# Altium PCB final_clock.PcbDoc (part 1 of 2) (continued)
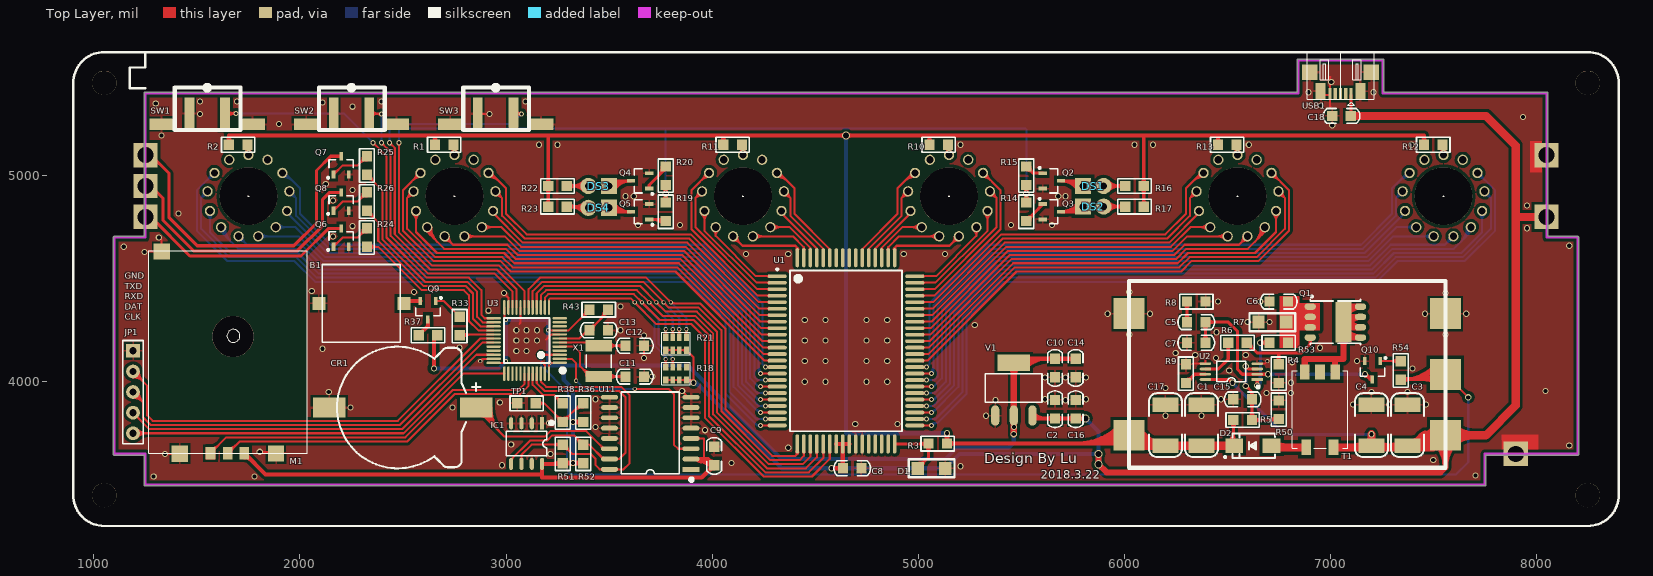
[diagram p0: Top Layer view]
## Nets (pads, with @x,y where several pads share a name; then routed paths per layer and width w, separated by ;. In a path a pad name is that pad's centre, name@x,y a point inside that pad or via, vN(x,y) a via of type N, cw(c..) or ccw(c..) an arc to the next point about the centre after c; other vN are vias at no path point) (continued)
  Bottom Layer w15: v1@6525,3987.5 cw(c6525,3969.39) 6537.8,3982.2 cw(c6550.61,3995) v1@6532.5,3995 ; v1(6525,3995) 6775,3745 v1(7200,3745) ; v1@7194.7,3739.7 ccw(c7181.89,3726.89) 7181.89,3745 ccw(c7181.89,3763.11) v1@7194.7,3750.3
  Bottom Layer w20: v1@3900,3995 3925,3995 4340,3580 v1(4580,3580) 5130,3580 5200,3650 v4(5875,3650) 5875,3758.78 v4(5811.89,3821.89) ; v1@3910,3990 cw(c3910,3941.72) 3944.14,3975.86 ; v4@5811.89,3811.89 cw(c5811.89,3787.75) 5828.96,3804.82 cw(c5846.03,3821.89) v4@5821.89,3821.89 ; v4@5867.93,3642.93 ccw(c5850.86,3625.86) 5850.86,3650 ccw(c5850.86,3674.14) 5867.93,3657.07 ccw(c5850.86,3674.14) 5875,3674.14 ccw(c5899.14,3674.14) v4@5882.07,3657.07
  Bottom Layer w30: v4(5875,3600) v4(5875,3650)
A7: U3.32
A8: U3.33
BEEP: R33.1 U3.29 | length 264.6
  Top Layer w10: R33.1@2782.07,4217.93 cw(c2810.07,4189.93) 2810.07,4229.53 ; R33.1@2789.14,4210.86 cw(c2834.22,4165.78) 2834.22,4229.53 ; R33.1@2789.14,4239.14 ccw(c2812.35,4262.35) 2812.35,4229.53 ; R33.1@2792.75,4234.22 ccw(c2800.47,4238.23) 2800.47,4229.53 ; R33.1@2794.99,4224.25 cw(c2800.47,4224.04) 2800.47,4229.53 ; 2800,4230 2800.47,4229.53 ; U3.29@2939.55,4229.53 2800.47,4229.53
BOOT0: R38.1 U3.44 | length 312.9
  Top Layer w10: U3.44@3129.53,4039.55 3129.53,3985.47 3180,3935 3235,3935 R38.1@3275,3895 ; R38.1@3255,3895 ccw(c3206.72,3895) 3240.86,3929.14 ccw(c3275,3963.28) R38.1@3275,3915
CTL: pad.0@7559.06,4035.43 R54.2 U3.3 | length 6725.6
  Top Layer w10: v2@3175,4130 3176.1,4131.1 U3.3@3260.45,4131.1 ; v2@3175.3,4124.7 cw(c3190.77,4109.23) 3190.77,4131.1 ; v2@3175.3,4135.3 ccw(c3185.45,4145.45) 3185.45,4131.1 ; pad.0@7533.74,4010.12 pad.0@7559.06,4035.43 v1(7670,3924.49)
  Top Layer w15: R54.2@7342.52,4010.12 pad.0@7533.74,4010.12 ; R54.2@7342.52,4010.12 ccw(c7342.53,4241.58) pad.0@7510.17,4081.98 ; R54.2@7352.88,4024.22 ccw(c7377.9,4058.28) 7384.29,4016.51 ccw(c7390.67,3974.75) R54.2@7356.62,3999.76 ; R54.2@7354.89,3997.74 cw(c7384.77,3967.87) 7384.77,4010.12 cw(c7384.77,4052.37) R54.2@7354.89,4022.49 ; 7377.53,4010.12 ccw(c7377.53,4208.27) pad.0@7521.03,4071.63 ; 7412.52,4010.12 ccw(c7412.52,4174.95) pad.0@7531.9,4061.29 ; 7447.51,4010.12 ccw(c7447.51,4141.63) pad.0@7542.76,4050.95 ; 7457.21,4010.12 cw(c7457.21,3933.59) pad.0@7511.33,3987.7 ; 7482.5,4010.12 ccw(c7482.5,4108.32) pad.0@7553.62,4040.6
  Bottom Layer w10: v2@3164.7,4124.7 cw(c3151.89,4111.89) 3170,4111.89 cw(c3188.11,4111.89) v2@3175.3,4124.7 ; v2(3170,4130) 3170,4080 3300,3950 3300,3822.43 3295,3817.43 3295,3570 3315,3550 7610,3550 7670,3610 v1(7670,3924.49)
DOT: R14.2 R15.2 R19.2 R20.2 U3.19 | length 5899.2
  Top Layer w10: v2@2474.7,5154.7 cw(c2461.89,5141.89) 2480,5141.89 cw(c2498.11,5141.89) v2@2485.3,5154.7 ; v2(2480,5160) 2480,4725 2640,4565 2965,4565 3090.16,4439.84 U3.19@3090.16,4360.45
  Top Layer w15: R20.2@3762.63,4882.37 ccw(c3732.75,4912.25) 3775,4912.25 ccw(c3817.25,4912.25) R20.2@3787.37,4882.37 ; R19.2@3762.63,4942.63 cw(c3732.75,4912.75) 3775,4912.75 cw(c3817.25,4912.75) R19.2@3787.37,4942.63 ; v1@3768.5,4908.75 cw(c3752.63,4899.59) R20.2@3770.34,4894.84 ; v1@3768.5,4916.25 ccw(c3752.63,4925.41) R19.2@3770.34,4930.16 ; v1@3769.7,4907.2 cw(c3756.89,4894.39) 3775,4894.39 cw(c3793.11,4894.39) v1@3780.3,4907.2 ; v1@3769.7,4917.8 ccw(c3756.89,4930.61) 3775,4930.61 ccw(c3793.11,4930.61) v1@3780.3,4917.8 ; 3770.42,4895.15 cw(c3787.69,4890.52) v1@3778.75,4906 ; 3770.42,4929.85 ccw(c3787.69,4934.48) v1@3778.75,4919 ; v1@3771.25,4906 cw(c3762.31,4890.52) 3779.58,4895.15 ; v1@3771.25,4919 ccw(c3762.31,4934.48) 3779.58,4929.85 ; R20.2@3775,4870 v1(3775,4912.5) R19.2@3775,4955 ; R20.2@3779.66,4894.84 cw(c3797.37,4899.59) v1@3781.5,4908.75 ; R19.2@3779.66,4930.16 ccw(c3797.37,4925.41) v1@3781.5,4916.25 ; R15.2@5512.63,4882.37 ccw(c5482.75,4912.25) 5525,4912.25 ccw(c5567.25,4912.25) R15.2@5537.37,4882.37 ; R14.2@5512.63,4942.63 cw(c5482.75,4912.75) 5525,4912.75 cw(c5567.25,4912.75) R14.2@5537.37,4942.63 ; v1@5518.5,4908.75 cw(c5502.63,4899.59) R15.2@5520.34,4894.84 ; v1@5518.5,4916.25 ccw(c5502.63,4925.41) R14.2@5520.34,4930.16 ; v1@5519.7,4907.2 cw(c5506.89,4894.39) 5525,4894.39 cw(c5543.11,4894.39) v1@5530.3,4907.2 ; v1@5519.7,4917.8 ccw(c5506.89,4930.61) 5525,4930.61 ccw(c5543.11,4930.61) v1@5530.3,4917.8 ; 5520.42,4895.15 cw(c5537.69,4890.52) v1@5528.75,4906 ; 5520.42,4929.85 ccw(c5537.69,4934.48) v1@5528.75,4919 ; v1@5521.25,4906 cw(c5512.31,4890.52) 5529.58,4895.15 ; v1@5521.25,4919 ccw(c5512.31,4934.48) 5529.58,4929.85 ; R15.2@5525,4870 v1(5525,4912.5) R14.2@5525,4955 ; R15.2@5529.66,4894.84 cw(c5547.37,4899.59) v1@5531.5,4908.75 ; R14.2@5529.66,4930.16 ccw(c5547.37,4925.41) v1@5531.5,4916.25
  Bottom Layer w10: v2@2474.7,5165.3 ccw(c2461.89,5178.11) 2480,5178.11 ccw(c2498.11,5178.11) v2@2485.3,5165.3 ; v2(2480,5160) 2480,5230 3775,5230 ; v1@3767.93,4919.57 ccw(c3750.86,4936.64) 3775,4936.64 ccw(c3799.14,4936.64) v1@3782.07,4919.57 ; v1(3775,4912.5) 3775,5230 ; v1@5517.93,4919.57 ccw(c5500.86,4936.64) 5525,4936.64 ccw(c5549.14,4936.64) v1@5532.07,4919.57 ; v1(5525,4912.5) 5525,5225 5520,5230 3775,5230
GND: B1.2 C1.1 C2.1 C3.1 C4.1 C6.2 C7.1 C8.1 C9.1 C10.1 C11.2 C12.1 C13.1 C14.2 C15.2 C16.1 C17.1 C18.1 CR1.2 D1.1 IC1.1 IC1.2 IC1.3 IC1.4 IC1.7 JP1.1 M1.1 M1.2 M1.3 pad.0@6023.62,4330.71 pad.0@7559.06,4330.71 pad.3 pad.5 Q2.2 Q3.2 Q4.2 Q5.2 Q6.2 Q7.2 Q8.2 Q10.2 R4.1 R7.1 R8.2 R9.2 R50.2 SW1.0 SW1.2 SW2.0 SW2.2 SW3.0 SW3.2 TP1.1 U1.34 U1.35 U2.4 U2.5 U3.8 U3.20 U3.23 U3.35 U3.47 U11.5 U11.6 U11.7 U11.8 U11.9 U11.10 U11.11 U11.12 U11.13 USB1.5 V1.1 | length 1189.9
  Top Layer w10: v1(1245,4630) 1247,4632 M1.3@1329,4632 1329,4689 ; v1(1345,3650) 1416,3650 M1.1@1417,3651 ; v1(1805,3660) 1876,3660 M1.2@1884,3652 ; SW3.2@2863.39,5301.18 2864.57,5300 v1(2920,5300) ; v3(2875,4100) 2886.42,4111.42 U3.35@2939.55,4111.42 ; v3@2875,4105 ccw(c2875,4117.07) 2883.54,4108.54 ccw(c2892.07,4100) v3@2880,4100 ; v1(2990,4430) 3011.42,4408.58 U3.23@3011.42,4360.45 ; 3065,4280 3070.47,4285.47 U3.20@3070.47,4360.45 ; 3175,4095 3188.58,4081.42 U3.47@3188.58,4039.55 ; 3195,4205 3219.53,4229.53 U3.8@3260.45,4229.53 ; v1(3670,4115) C12.1@3670,4175 ; v1(3855,3955) 3885,3925 U11.8@3897.83,3925 ; 6336.61,4087.76 U2.5@6394.02,4087.76 6394.02,4114.02 ; U2.4@6645.98,4087.76 6682.76,4087.76 v3(6695,4100) ; USB1.5@6953.01,5405.28 6966.01,5392.28 USB1.5@6999.01,5392.28 ; 7000,5335 6999.01,5335.99 USB1.5@6999.01,5392.28 ; 7000,5480 6999.01,5479.01 USB1.5@6999.01,5392.28
  other v1: 1290,3540 1780,3540 7705,3545 5205,3590 2980,3595 4095,3605 7500,3620 3215,3650 4370,3680 8160,3690 3025,3695 3965,3765 3434,3780 4695,3795 4900,3795 3210,3800 5330,3835 6200,3835 6375,3835 2245,3875 2740,3875 7110,3890 7285,3890 7465,3890 2970,3900 5375,3910 5715,3910 3435,3915 5615,3915 5815,3915 6470,3915 6690,3945 6810,3945 2140,3950 7200,3950 7375,3950 8045,3955 6200,3970 6810,3995 4450,4000 4550,4000 4750,4000 4850,4000 5615,4020 5715,4020 5815,4020 3710,4025 6510,4055 7400,4065 6815,4095 4450,4100 4550,4100 4750,4100 4850,4100 7130,4100 6445,4115 6345,4130 6590,4130 6250,4140 3050,4150 3100,4150 2110,4160 2775,4165 6950,4165 3050,4200 3100,4200 3150,4200 4450,4200 4550,4200 4750,4200 4850,4200 3670,4225 6025,4230 7560,4230 6448,4240 3050,4250 3100,4250 3150,4250 3555,4250 5275,4275 6600,4290 6705,4290 4450,4300 4550,4300 4750,4300 4850,4300 5920,4330 6125,4330 7460,4330 7660,4330 2915,4345 3555,4365 6455,4390 6660,4390 7560,4430 6025,4435 2553,4436 2057,4440 4165,4620 4370,4620 4930,4620 5130,4620 1145,4655 8160,4660 1315,4700 2160,4705 7955,4745 2255,4755 3640,4760 3845,4760 5450,4760 5650,4760 1410,4817 7955,4855 2160,4880 3580,4900 3620,4900 5680,4900 5715,4900 2255,4930 2125,4960 3160,5150 3250,5150 5205,5150 6050,5150 6140,5150 6605,5150 7395,5150 1328,5195 7010,5245 1898,5251 7935,5285 1515,5300 2255,5335 6955,5340 1300,5350 2110,5355 1515,5360 1695,5360 2395,5360 3095,5360 6895,5405 7210,5405 7005,5455
HV: C1.2 C17.2 D2.2 pad.0@6023.62,3740.16 R1.2 R2.2 R3.1 R5.1 R10.2 R11.2 R12.2 R13.2 R16.1 R17.1 R22.1 R23.1 | length 12787.6
  Top Layer w15: R23.1@3192.63,4862.37 ccw(c3162.75,4892.25) 3205,4892.25 ccw(c3247.25,4892.25) R23.1@3217.37,4862.37 ; R22.1@3192.63,4937.63 cw(c3162.75,4907.75) 3205,4907.75 cw(c3247.25,4907.75) R22.1@3217.37,4937.63 ; R22.1@3192.63,4962.37 ccw(c3162.75,4992.25) 3205,4992.25 ccw(c3247.25,4992.25) R22.1@3217.37,4962.37 ; 3200,5195 3205,5190 R22.1@3205,4950 R23.1@3205,4850 ; R10.2@5043.12,5162.85 ccw(c5018.04,5190) 5055,5190 ; R10.2@5055,5150 5055,5190 ; R10.2@5066.88,5162.85 cw(c5091.96,5190) 5055,5190 ; pad.0@6050,3700 pad.0@6056.89,3706.89 ; R17.1@6082.63,4862.37 ccw(c6052.75,4892.25) 6095,4892.25 ccw(c6137.25,4892.25) R17.1@6107.37,4862.37 ; R16.1@6082.63,4937.63 cw(c6052.75,4907.75) 6095,4907.75 cw(c6137.25,4907.75) R16.1@6107.37,4937.63 ; R16.1@6082.63,4962.37 ccw(c6052.75,4992.25) 6095,4992.25 ccw(c6137.25,4992.25) R16.1@6107.37,4962.37 ; R17.1@6095,4850 R16.1@6095,4950 6095,5190 6100,5195 ; R13.2@6443.12,5162.85 ccw(c6418.04,5190) 6455,5190 ; R13.2@6455,5150 6455,5190 ; R13.2@6466.88,5162.85 cw(c6491.96,5190) 6455,5190 ; D2.2@6506.53,3708.43 ccw(c6449.88,3765.08) 6530,3765.08 ; D2.2@6517.14,3697.82 ccw(c6486.1,3728.86) 6530,3728.86 ; R5.1@6517.63,3802 cw(c6487.75,3772.12) 6530,3772.12 cw(c6572.25,3772.12) R5.1@6542.37,3802 ; 6530,3743.78 ccw(c6580.01,3743.78) D2.2@6544.65,3708.43 ; R5.1@6530,3814.37 6530,3693.82 D2.2@6534.45,3689.37
  Top Layer w20: R2.2@1644.39,5160.61 ccw(c1618.79,5186.21) 1655,5186.21 ccw(c1691.21,5186.21) R2.2@1665.61,5160.61 ; R2.2@1655,5150 1655,5195 2655,5195 ; R1.2@2644.39,5160.61 ccw(c2618.79,5186.21) 2655,5186.21 ccw(c2691.21,5186.21) R1.2@2665.61,5160.61 ; R1.2@2655,5150 2655,5195 ; R11.2@4044.39,5160.61 ccw(c4018.79,5186.21) 4055,5186.21 ccw(c4091.21,5186.21) R11.2@4065.61,5160.61 ; R11.2@4055,5150 4055,5195 ; v4@4642.93,5187.93 ccw(c4625.86,5170.86) 4625.86,5195 ccw(c4625.86,5219.14) v4@4642.93,5202.07 ; v4@4657.07,5187.93 cw(c4674.14,5170.86) 4674.14,5195 cw(c4674.14,5219.14) v4@4657.07,5202.07 ; R3.1@5129.39,3710.61 ccw(c5103.79,3736.21) 5140,3736.21 ccw(c5176.21,3736.21) 5150.61,3710.61 ccw(c5176.21,3736.21) 5176.21,3700 ccw(c5176.21,3663.79) R3.1@5150.61,3689.39 ; v1@5135.67,3747.5 cw(c5114.67,3735.37) 5138.09,3729.1 ; v1(5140,3750) R3.1@5140,3700 pad.0@6050,3700 ; 5141.91,3729.1 cw(c5165.33,3735.37) v1@5144.33,3747.5 ; 5769.75,3700 ccw(c5769.75,3994.03) pad.0@5977.66,3786.12 ; 5818.03,3700 ccw(c5818.03,3945.75) pad.0@5991.8,3771.98 ; 5866.32,3700 ccw(c5866.32,3897.46) pad.0@6005.94,3757.84 ; 5914.6,3700 ccw(c5914.6,3849.18) pad.0@6020.09,3743.69 ; R12.2@7444.39,5160.61 ccw(c7418.79,5186.21) 7455,5186.21 ccw(c7491.21,5186.21) R12.2@7465.61,5160.61 ; R12.2@7455,5150 7455,5195 6100,5195 4055,5195 ; 2655,5195 3200,5195 4055,5195
  Top Layer w40: pad.0@6036.86,3747.22 ccw(c6133.3,3798.69) 6133.3,3689.37 ; pad.0@6056.89,3706.89 6074.41,3689.37 C17.2@6200,3689.37 ; pad.0@6072.14,3766.05 ccw(c6199.99,3834.29) C17.2@6200,3689.37 ; 6122.77,3710.06 cw(c6107.11,3651.62) C17.2@6159.51,3681.87 ; C17.2@6161.89,3678.76 ccw(c6136.29,3653.16) 6136.29,3689.37 ccw(c6136.29,3725.58) C17.2@6161.89,3699.98 ; C17.2@6238.11,3678.76 cw(c6263.71,3653.16) 6263.71,3689.37 cw(c6263.71,3725.58) C17.2@6238.11,3699.98 ; C1.2@6336.89,3678.76 ccw(c6311.29,3653.16) 6311.29,3689.37 ccw(c6311.29,3725.58) C1.2@6336.89,3699.98 ; C1.2@6413.11,3678.76 cw(c6438.71,3653.16) 6438.71,3689.37 cw(c6438.71,3725.58) C1.2@6413.11,3699.98 ; D2.2@6515.37,3679.15 ccw(c6490.71,3654.49) 6490.71,3689.37 ccw(c6490.71,3724.25) D2.2@6515.37,3699.59 ; D2.2@6534.45,3689.37 C1.2@6375,3689.37 C17.2@6200,3689.37
  Bottom Layer w20: v4@4642.93,5187.93 cw(c4625.86,5170.86) 4650,5170.86 cw(c4674.14,5170.86) v4@4657.07,5187.93 ; v4(4650,5195) 4650,3750 v1(5140,3750)
HVCLK: R18.8 U1.30 U3.13 | length 2671.6
  Top Layer w10: U3.13@3208.27,4360.45 3208.27,4398.27 3215,4405 3605,4405 v3(3625,4385) 3625,4384.64 3729.64,4280 3900,4280 3965,4215 3965,3825 4250,3540 4485,3540 4571.26,3626.26 U1.30@4571.26,3698.23 ; v3@3620,4385 ccw(c3607.93,4385) 3616.46,4393.54 ccw(c3625,4402.07) v3@3625,4390 ; v3@3625,4380 cw(c3625,4368.79) 3632.93,4376.72 ; v3@3630,4385 ccw(c3642.93,4385) 3633.79,4375.86 ; R18.8@3769.09,4081.93 ccw(c3755.79,4095.24) 3774.61,4095.24 ccw(c3793.43,4095.24) R18.8@3780.12,4081.93 ; v3@3771.07,4106.07 cw(c3762.54,4097.54) 3774.61,4097.54 cw(c3786.68,4097.54) v3@3778.14,4106.07 ; R18.8@3774.61,4071.5 v3(3774.61,4109.61) ; U1.30@4566.44,3658.96 cw(c4554.82,3647.34) 4571.26,3647.34 cw(c4587.7,3647.34) U1.30@4576.08,3658.96
  Bottom Layer w10: v3@3625,4380 cw(c3625,4368.79) 3632.93,4376.72 ; v3(3625,4385) 3625,4384.64 3649.64,4360 3650,4360 3720,4290 3720,4176.72 3774.61,4122.11 v3(3774.61,4109.61) ; v3@3630,4385 ccw(c3642.93,4385) 3633.79,4375.86 ; 3757.23,4139.49 cw(c3727.35,4109.61) v3@3769.61,4109.61 ; v3@3771.07,4113.14 ccw(c3762.54,4121.68) 3774.61,4121.68 ccw(c3786.68,4121.68) v3@3778.14,4113.14 ; 3774.3,4122.42 cw(c3761.49,4109.61) v3@3779.61,4109.61
HVDIN1: R21.5 U1.25 U3.18 | length 2442.1
  Top Layer w10: U3.18@3109.84,4360.45 3109.84,4449.84 3165,4505 3680.36,4505 3800,4385.36 v3(3800,4385) 3805,4380 3943.14,4380 4065,4258.14 4065,3866.42 4291.42,3640 4405,3640 ; 3791.21,4394.14 cw(c3782.07,4385) v3@3795,4385 ; 3792.07,4393.28 ccw(c3800,4401.21) v3@3800,4390 ; v3@3803.54,4388.54 ccw(c3824.14,4409.14) 3824.14,4380 ; R21.5@3869.88,4226.93 ccw(c3856.57,4240.24) 3875.39,4240.24 ccw(c3894.21,4240.24) R21.5@3880.91,4226.93 ; v3@3871.86,4251.07 cw(c3863.32,4242.54) 3875.39,4242.54 cw(c3887.46,4242.54) v3@3878.93,4251.07 ; R21.5@3875.39,4216.5 v3(3875.39,4254.61) ; U1.25@4407.84,3660.45 cw(c4392.9,3652.1) 4405,3640 ; U1.25@4409.3,3658.65 cw(c4400.67,3648.78) 4413.78,3648.78 ; U1.25@4413.78,3698.23 4413.78,3648.78 ; 4414.35,3649.35 ccw(c4404.89,3658.81) U1.25@4416.56,3665.34 ; U1.25@4418.26,3658.65 ccw(c4426.89,3648.78) 4413.78,3648.78 ; 4405,3640 4413.78,3648.78
  Bottom Layer w10: v3@3800,4380 cw(c3800,4367.93) 3808.54,4376.46 cw(c3817.07,4385) v3@3805,4385 ; v3(3800,4385) 3875.39,4309.61 v3@3875.39,4259.61 ; v3@3871.86,4258.14 ccw(c3863.32,4266.68) 3875.39,4266.68 ccw(c3887.46,4266.68) v3@3878.93,4258.14
HVDIN2: R21.6 U1.26 U3.17 | length 2402.1
  Top Layer w10: U3.17@3129.53,4360.45 3129.53,4439.53 3175,4485 3665.36,4485 3765,4385.36 v3(3765,4385) 3765,4384.64 3789.64,4360 3934.85,4360 4045,4249.85 4045,3858.14 4283.14,3620 4425,3620 4445.28,3640.28 U1.26@4445.28,3698.23 ; 3756.21,4394.14 cw(c3747.07,4385) v3@3760,4385 ; 3757.07,4393.28 ccw(c3765,4401.21) v3@3765,4390 ; v3@3765,4380 cw(c3765,4368.79) 3772.93,4376.72 ; v3@3770,4385 ccw(c3782.93,4385) 3773.79,4375.86 ; v3@3837.21,4251.07 cw(c3828.68,4242.54) 3840.75,4242.54 cw(c3852.82,4242.54) v3@3844.28,4251.07 ; R21.6@3837.32,4227.79 ccw(c3829.06,4236.06) 3840.75,4236.06 ccw(c3852.44,4236.06) R21.6@3844.17,4227.79 ; R21.6@3840.75,4216.5 v3(3840.75,4254.61) ; U1.26@4440.46,3658.96 cw(c4428.83,3647.34) 4445.28,3647.34 cw(c4461.72,3647.34) U1.26@4450.09,3658.96
  Bottom Layer w10: v3@3765,4380 cw(c3765,4368.79) 3772.93,4376.72 ; v3(3765,4385) 3765,4384.64 3840.75,4308.9 v3@3840.75,4259.61 ; v3@3770,4385 ccw(c3782.93,4385) 3773.79,4375.86 ; v3@3837.21,4258.14 ccw(c3828.68,4266.68) 3840.75,4266.68 ccw(c3852.82,4266.68) v3@3844.28,4258.14
HVDIN3: R21.7 U1.27 U3.16 | length 2411.3
  Top Layer w10: U3.16@3149.21,4360.45 3149.21,4429.21 3185,4465 3650.36,4465 3730,4385.36 v3(3730,4385) 3730,4384.64 3774.64,4340 3926.57,4340 4025,4241.57 4025,3849.85 4274.85,3600 4440,3600 4476.77,3636.77 U1.27@4476.77,3698.23 ; 3721.21,4394.14 cw(c3712.07,4385) v3@3725,4385 ; 3722.07,4393.28 ccw(c3730,4401.21) v3@3730,4390 ; v3@3730,4380 cw(c3730,4368.79) 3737.93,4376.72 ; v3@3735,4385 ccw(c3747.93,4385) 3738.79,4375.86 ; v3@3805.72,4251.07 cw(c3797.18,4242.54) 3809.25,4242.54 cw(c3821.32,4242.54) v3@3812.79,4251.07 ; R21.7@3805.83,4227.79 ccw(c3797.56,4236.06) 3809.25,4236.06 ccw(c3820.94,4236.06) R21.7@3812.68,4227.79 ; R21.7@3809.25,4216.5 v3(3809.25,4254.61) ; U1.27@4471.96,3658.96 cw(c4460.33,3647.34) 4476.77,3647.34 cw(c4493.21,3647.34) U1.27@4481.59,3658.96
  Bottom Layer w10: v3@3730,4380 cw(c3730,4368.79) 3737.93,4376.72 ; v3(3730,4385) 3730,4384.64 3809.25,4305.39 v3@3809.25,4259.61 ; v3@3735,4385 ccw(c3747.93,4385) 3738.79,4375.86 ; v3@3805.72,4258.14 ccw(c3797.18,4266.68) 3809.25,4266.68 ccw(c3821.32,4266.68) v3@3812.79,4258.14
HVDIN4: R21.8 U1.28 U3.15 | length 2430.5
  Top Layer w10: U3.15@3168.9,4360.45 3168.9,4418.9 3195,4445 3635.36,4445 3695,4385.36 v3(3695,4385) 3695,4384.64 3759.64,4320 3918.28,4320 4005,4233.28 4005,3841.57 4266.57,3580 4455,3580 4508.27,3633.27 U1.28@4508.27,3698.23 ; 3686.21,4394.14 cw(c3677.07,4385) v3@3690,4385 ; 3687.07,4393.28 ccw(c3695,4401.21) v3@3695,4390 ; v3@3695,4380 cw(c3695,4368.79) 3702.93,4376.72 ; v3@3700,4385 ccw(c3712.93,4385) 3703.79,4375.86 ; R21.8@3769.09,4226.93 ccw(c3755.79,4240.24) 3774.61,4240.24 ccw(c3793.43,4240.24) R21.8@3780.12,4226.93 ; v3@3771.07,4251.07 cw(c3762.54,4242.54) 3774.61,4242.54 cw(c3786.68,4242.54) v3@3778.14,4251.07 ; R21.8@3774.61,4216.5 v3(3774.61,4254.61) ; U1.28@4503.45,3658.96 cw(c4491.82,3647.34) 4508.27,3647.34 cw(c4524.71,3647.34) U1.28@4513.08,3658.96
  Bottom Layer w10: v3@3695,4380 cw(c3695,4368.79) 3702.93,4376.72 ; v3(3695,4385) 3695,4384.64 3774.61,4305.04 v3@3774.61,4259.61 ; v3@3700,4385 ccw(c3712.93,4385) 3703.79,4375.86 ; v3@3771.07,4258.14 ccw(c3762.54,4266.68) 3774.61,4266.68 ccw(c3786.68,4266.68) v3@3778.14,4258.14
HVLE: R18.7 U1.29 U3.14 | length 2608
  Top Layer w10: U3.14@3188.58,4360.45 3188.58,4408.58 3205,4425 3620.36,4425 v3@3660.18,4385.18 ; 3651.21,4394.14 cw(c3642.07,4385) v3@3655,4385 ; 3652.07,4393.28 ccw(c3660,4401.21) v3@3660,4390 ; v3@3660,4380 cw(c3660,4368.79) 3667.93,4376.72 ; v3(3660,4385) 3660,4384.64 3744.64,4300 3910,4300 3985,4225 3985,3833.28 4258.28,3560 4470,3560 4539.76,3629.76 U1.29@4539.76,3698.23 ; v3@3665,4385 ccw(c3677.93,4385) 3668.79,4375.86 ; v3@3805.72,4106.07 cw(c3797.18,4097.54) 3809.25,4097.54 cw(c3821.32,4097.54) v3@3812.79,4106.07 ; R18.7@3805.83,4082.79 ccw(c3797.56,4091.06) 3809.25,4091.06 ccw(c3820.94,4091.06) R18.7@3812.68,4082.79 ; R18.7@3809.25,4071.5 v3(3809.25,4109.61) ; U1.29@4534.95,3658.96 cw(c4523.32,3647.34) 4539.76,3647.34 cw(c4556.21,3647.34) U1.29@4544.58,3658.96
  Bottom Layer w10: v3@3660,4380 cw(c3660,4368.79) 3667.93,4376.72 ; v3(3660,4385) 3660,4384.64 3740,4304.64 3740,4185 3809.25,4115.75 v3(3809.25,4109.61) ; v3@3665,4385 ccw(c3677.93,4385) 3668.79,4375.86 ; 3796.37,4128.63 cw(c3777.35,4109.61) v3@3804.25,4109.61
INT: U3.2 U11.3 | length 1113.1
  Top Layer w10: U3.2@3260.45,4111.42 3318.58,4111.42 3340,4090 v3(3340,4005) ; v3@3336.46,4008.54 ccw(c3327.93,4017.07) 3340,4017.07 ccw(c3352.07,4017.07) v3@3343.54,4008.54 ; v3(3625,3965) 3790,3965 3815,3940 3815,3695 3835,3675 U11.3@3897.83,3675 ; v3@3628.54,3961.46 cw(c3637.07,3952.93) 3637.07,3965 cw(c3637.07,3977.07) v3@3628.54,3968.54 ; U11.3@3863.49,3670.18 ccw(c3851.86,3658.56) 3851.86,3675 ccw(c3851.86,3691.44) U11.3@3863.49,3679.82
  Bottom Layer w10: v3@3340,4000 cw(c3340,3987.93) 3348.54,3996.46 cw(c3357.07,4005) v3@3345,4005 ; v3(3340,4005) 3380,3965 v3(3625,3965) ; v3@3621.46,3961.46 ccw(c3612.93,3952.93) 3612.93,3965 ccw(c3612.93,3977.07) v3@3621.46,3968.54
ISP_RX: JP1.3 U3.31 | length 2201.7
  Top Layer w10: JP1.3@1190,3950 1238.46,3901.54 ; JP1.3@1190.05,3921.54 cw(c1190.18,3853.26) 1238.46,3901.54 ; JP1.3@1190.04,3931.54 cw(c1190.12,3887.25) 1221.44,3918.56 cw(c1252.75,3949.88) JP1.3@1208.46,3949.96 ; JP1.3@1218.46,3949.95 ccw(c1286.74,3949.82) 1238.46,3901.54 ; U3.31@2939.55,4190.16 2885.16,4190.16 2485,3790 1276.72,3790 1238.46,3828.25 1238.46,3901.54
ISP_TX: JP1.2 U3.30 | length 2277.5
  Top Layer w10: JP1.2@1190,4021.54 cw(c1190,3952.82) 1238.59,4001.41 cw(c1287.18,4050) JP1.2@1218.46,4050 ; JP1.2@1190,4031.54 cw(c1190,3986.96) 1221.52,4018.48 cw(c1253.04,4050) JP1.2@1208.46,4050 ; JP1.2@1190,4050 1258.46,3981.54 1258.46,3836.54 1285,3810 2475,3810 2874.84,4209.84 U3.30@2939.55,4209.84
K1: SW3.1 U3.21 | length 2229.9
  Top Layer w10: v2@2435,5152.5 cw(c2435,5134.39) 2447.8,5147.2 cw(c2460.61,5160) v2@2442.5,5160 ; v2(2435,5160) 2460,5135 2460,4716.72 2631.72,4545 2955,4545 3050.79,4449.21 U3.21@3050.79,4360.45 ; SW3.1@3036.61,5301.18 3037.8,5300 v2(3075,5300) ; SW3.1@3050.64,5288.93 cw(c3075,5267.66) v2(3075,5300) ; SW3.1@3051.79,5311.97 ccw(c3075,5328.48) v2(3075,5300) ; v2@3068,5297.3 ccw(c3057.98,5293.44) 3060.76,5303.82 ccw(c3063.54,5314.19) v2@3070.29,5305.83 ; v2@3068.3,5303.37 cw(c3054.97,5310.09) 3058.83,5295.67 cw(c3062.7,5281.25) v2@3070.89,5293.73 ; v2@3069.7,5294.7 ccw(c3056.89,5281.89) 3056.89,5300 ccw(c3056.89,5318.11) v2@3069.7,5305.3
  Bottom Layer w10: v2@2429.7,5165.3 ccw(c2416.89,5178.11) 2435,5178.11 ccw(c2453.11,5178.11) v2@2440.3,5165.3 ; v2(2435,5160) 2435,5220 2465,5250 3025,5250 v2(3075,5300) ; v2@3067.5,5300 cw(c3049.39,5300) 3062.2,5287.2 cw(c3075,5274.39) v2@3075,5292.5
K2: SW2.1 U3.22 | length 1675.6
  Top Layer w10: SW2.1@2337.8,5302.36 v2@2398.23,5302.36 ; SW2.1@2342.71,5295.08 cw(c2360.28,5277.51) 2360.28,5302.36 ; SW2.1@2349.78,5288.01 cw(c2384.42,5253.37) v2@2384.42,5302.36 ; SW2.1@2349.78,5314.35 ccw(c2378.72,5343.29) 2378.72,5302.36 ; 2369.1,5302.36 cw(c2369.1,5273.23) v2@2389.7,5293.83 ; 2369.73,5298.42 cw(c2375.38,5277.34) v2@2389.98,5293.56 ; v2@2395,5152.5 cw(c2395,5134.39) 2407.8,5147.2 cw(c2420.61,5160) v2@2402.5,5160 ; v2(2395,5160) 2440,5115 2440,4708.43 2623.43,4525 2945,4525 3031.1,4438.9 U3.22@3031.1,4360.45
  Bottom Layer w10: v2@2389.7,5165.3 ccw(c2376.89,5178.11) 2395,5178.11 ccw(c2413.11,5178.11) v2@2400.3,5165.3 ; v2@2389.7,5293.83 cw(c2376.89,5281.03) 2395,5281.03 cw(c2413.11,5281.03) v2@2400.3,5293.83 ; v2(2395,5160) v2(2395,5299.13) v2@2398.23,5302.36
K3: SW1.1 U3.25 | length 2271.2
  Top Layer w10: SW1.1@1636.61,5301.18 1637.8,5302.36 v2(1690,5302.36) ; SW1.1@1642.71,5295.08 cw(c1660.28,5277.51) 1660.28,5302.36 ; SW1.1@1649.78,5288.01 cw(c1684.42,5253.37) v2@1684.42,5302.36 ; SW1.1@1649.78,5314.35 ccw(c1678.72,5343.29) v2@1678.72,5302.36 ; 1664.95,5306.05 ccw(c1672.21,5333.17) v2@1686.25,5308.86 ; 1668.77,5298.17 cw(c1674.73,5275.92) v2@1686.25,5295.87 ; 1675.5,5299.97 ccw(c1672.09,5312.7) v2@1683.5,5306.11 ; v2@1684.7,5297.06 ccw(c1671.89,5284.26) 1671.89,5302.36 ccw(c1671.89,5320.47) v2@1684.7,5307.67 ; v2@2355,5152.5 cw(c2355,5134.39) 2367.8,5147.2 cw(c2380.61,5160) v2@2362.5,5160 ; v2(2355,5160) 2420,5095 2420,4700.15 2615.15,4505 2820,4505 2880,4445 2880,4325 2896.73,4308.27 U3.25@2939.55,4308.27
  Bottom Layer w10: v2(1690,5302.36) 2212.64,5302.36 v2(2355,5160) ; v2@1695.3,5297.06 cw(c1708.11,5284.26) 1708.11,5302.36 cw(c1708.11,5320.47) v2@1695.3,5307.67 ; v2@2347.5,5160 ccw(c2329.39,5160) 2342.2,5172.8 ccw(c2355,5185.61) v2@2355,5167.5
LED1: R24.2 U3.28 | length 931.8
  Top Layer w10: R24.2@2325,4655 2380.29,4655 2590.29,4445 2795.15,4445 2820,4420.15 2820,4295 2865.79,4249.21 U3.28@2939.55,4249.21 ; R24.2@2339.14,4640.86 cw(c2373.28,4606.72) 2373.28,4655 cw(c2373.28,4703.28) R24.2@2339.14,4669.14
LED2: R25.2 U3.26 | length 1197.9
  Top Layer w10: R25.2@2325,4985 cw(c2325,4936.72) 2359.14,4970.86 cw(c2393.28,5005) R25.2@2345,5005 ; R25.2@2325,5005 2400,4930 2400,4691.86 2606.86,4485 2811.72,4485 2860,4436.72 2860,4315 2886.42,4288.58 U3.26@2939.55,4288.58
LED3: R26.2 U3.27 | length 1048.7
  Top Layer w10: R26.2@2325,4810 cw(c2325,4761.72) 2359.14,4795.86 cw(c2393.28,4830) R26.2@2345,4830 ; R26.2@2325,4830 2380,4775 2380,4683.58 2598.58,4465 2803.43,4465 2840,4428.43 2840,4305 2876.1,4268.9 U3.27@2939.55,4268.9
LED_B: pad.0@1250,5100 Q7.3 | length 1561.7
  Top Layer w15: pad.0@1275.9,5100 1365,5010.9 1365,4795.76 1500.76,4660 1970.15,4660 2080,4769.85 2080,5025 2149.29,5094.29 Q7.3@2200,5094.29
LED_G: pad.2 Q6.3 | length 1058.4
  Top Layer w15: pad.2@1275.9,4800 1465.9,4610 2005,4610 2139.29,4744.29 Q6.3@2200,4744.29
LED_R: pad.1 Q8.3 | length 1310.1
  Top Layer w15: pad.1@1275.9,4950 1335,4890.9 1335,4783.33 1483.33,4635 1987.57,4635 2110,4757.43 2110,4885 2144.29,4919.29 Q8.3@2200,4919.29
MULT: U3.40
NetB1_1: B1.1 Q9.2 | length 83.9
  Top Layer w20: B1.1@2504.69,4380 2516.69,4392 Q9.2@2583.6,4392
NetC5_1: C5.1 R8.1 | length 232.7
  Top Layer w15: C5.1@6292.63,4301.74 ccw(c6262.75,4331.62) 6305,4331.62 ccw(c6347.25,4331.62) C5.1@6317.37,4301.74 ; R8.1@6292.63,4377 cw(c6262.75,4347.12) 6305,4347.12 cw(c6347.25,4347.12) R8.1@6317.37,4377 ; C5.1@6305,4289.37 R8.1@6305,4389.37
NetC5_2: C5.2 C7.2 Q10.3 U2.2 | length 1530
  Top Layer w15: C7.2@6382.63,4201.74 ccw(c6352.75,4231.62) 6395,4231.62 ccw(c6437.25,4231.62) C7.2@6407.37,4201.74 ; C5.2@6382.63,4277 cw(c6352.75,4247.12) 6395,4247.12 cw(c6437.25,4247.12) 6407.37,4277 cw(c6437.25,4247.12) 6437.25,4289.37 cw(c6437.25,4331.62) C5.2@6407.37,4301.74 ; C7.2@6395,4189.37 C5.2@6395,4289.37 6505.63,4289.37 6550,4245 6550,4060 6573.43,4036.57 U2.2@6645.98,4036.57 v1(6698.43,4036.57) ; v1@6693.12,4031.27 ccw(c6680.32,4018.47) 6680.32,4036.57 ccw(c6680.32,4054.68) v1@6693.12,4041.88 ; v1@7168.43,4029.07 cw(c7168.43,4010.97) 7181.23,4023.77 cw(c7194.03,4036.57) v1@7175.93,4036.57 ; v1@7170.37,4029.33 cw(c7175.05,4011.84) 7184.1,4027.52 cw(c7193.16,4043.2) v1@7175.67,4038.52 ; 7191.74,4013.26 ccw(c7204.43,4025.94) Q10.3@7205.66,4008.04 ; Q10.3@7204.63,4023.01 cw(c7201.44,4069.59) v1(7168.43,4036.57) 7194.17,4010.83 Q10.3@7204.72,4010.83
  Bottom Layer w15: v1(6698.43,4036.57) v1(7168.43,4036.57) ; v1@6703.73,4031.27 cw(c6716.53,4018.47) 6716.53,4036.57 cw(c6716.53,4054.68) v1@6703.73,4041.88 ; v1@7163.12,4031.27 ccw(c7150.32,4018.47) 7150.32,4036.57 ccw(c7150.32,4054.68) v1@7163.12,4041.88
NetC6_1: C6.1 Q1.1 Q1.2 Q1.3 R7.2 R53.2
NetC11_1: C11.1 U3.5 X1.1 | length 741.6
  Top Layer w10: U3.5@3260.45,4170.47 3329.53,4170.47 3360,4140 3360,4075 3409.8,4025.2 X1.1@3450,4025.2 3450.2,4025 C11.1@3580,4025 ; 3369.32,4065.68 ccw(c3412.6,4108.97) X1.1@3412.6,4047.76 ; 3376.06,4058.94 cw(c3342.33,4025.2) X1.1@3390.04,4025.2 ; X1.1@3386.39,4048.61 ccw(c3412.6,4074.82) X1.1@3412.6,4037.76 ; X1.1@3496.28,4016.32 cw(c3517.25,3995.35) 3517.25,4025 ; X1.1@3496.28,4034.08 ccw(c3518.2,4055.99) 3518.2,4025 ; X1.1@3503.35,4009.25 cw(c3541.39,3971.21) 3541.39,4025 ; X1.1@3503.35,4041.15 ccw(c3542.34,4080.13) 3542.34,4025 ; C11.1@3565.86,4010.86 ccw(c3531.72,3976.72) 3531.72,4025 ccw(c3531.72,4073.28) C11.1@3565.86,4039.14